# Altium PCB miniCUP.PcbDoc
Units mil, origin at the board's own origin, x right, y up, seen from the top; angles counter-clockwise.
Board outline 2125.98 x 2125.98 mil, 2 copper layers (Top Layer, Bottom Layer); 43 components, 42 nets, 161 pads, 31 vias.
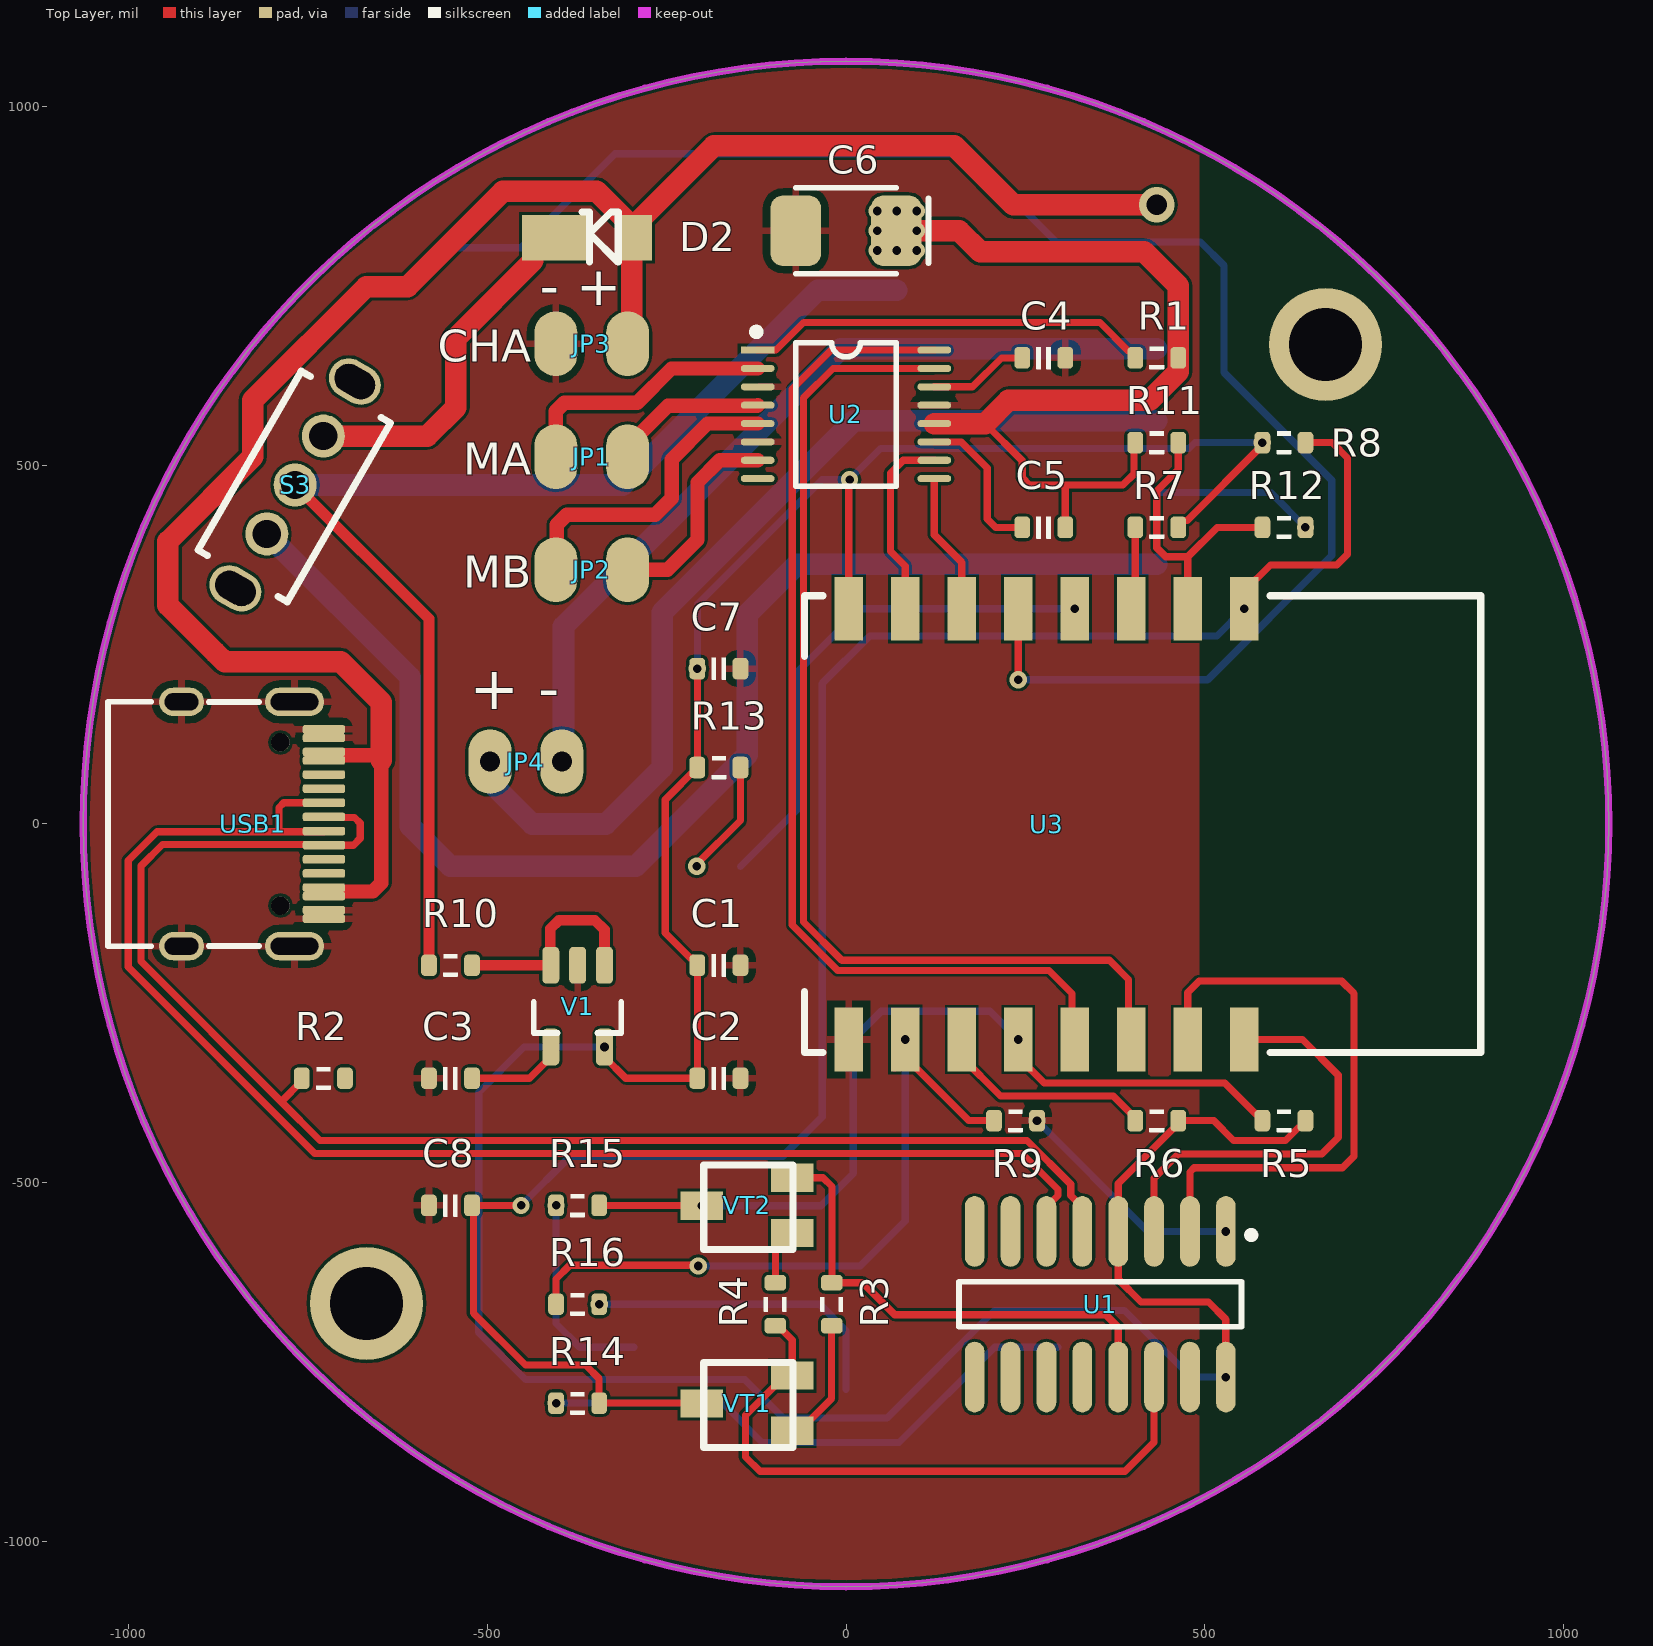
[diagram p0: Top Layer view]
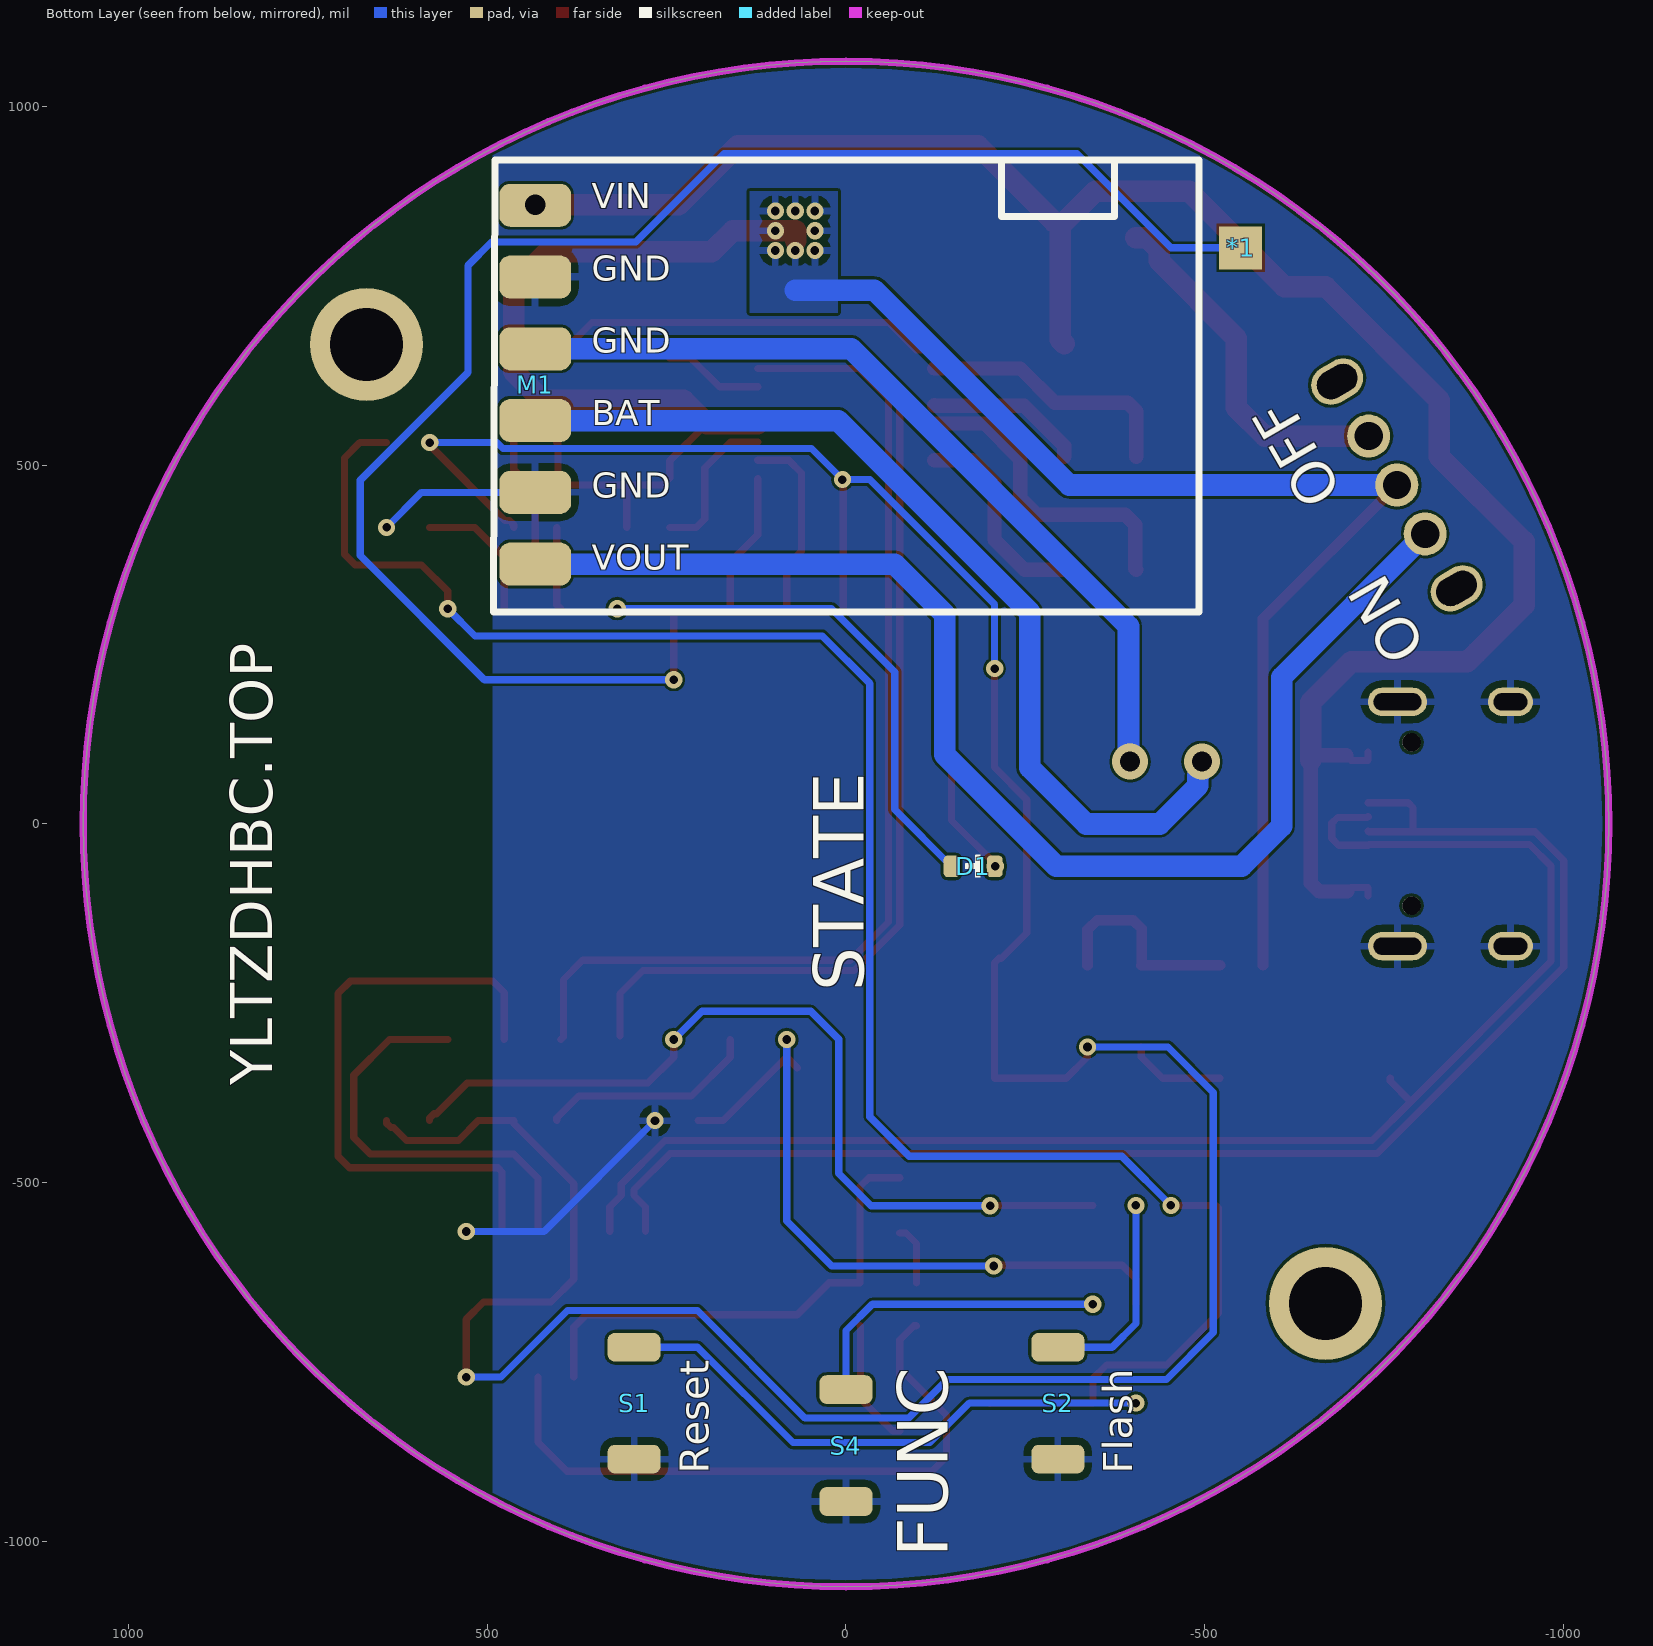
[diagram p1: Bottom Layer view, seen from below]
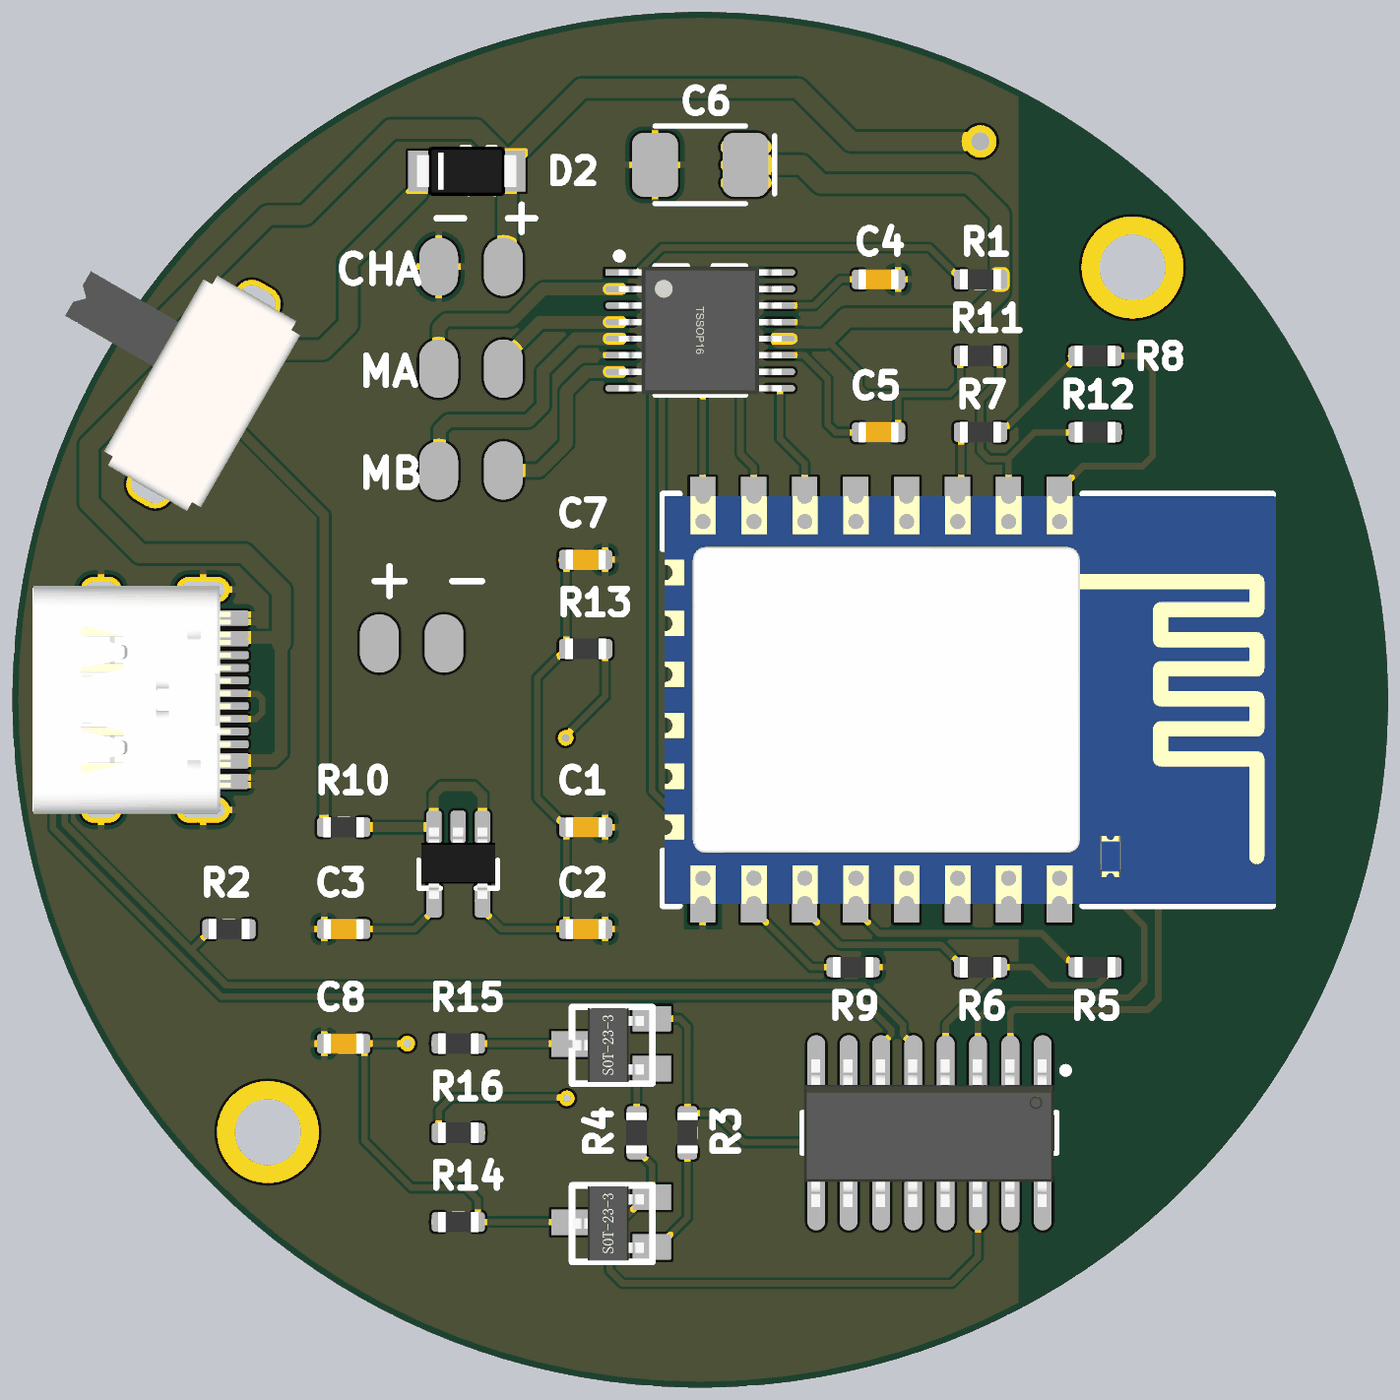
[diagram p2: 3D render of the assembled board from above, using the file's embedded part models]
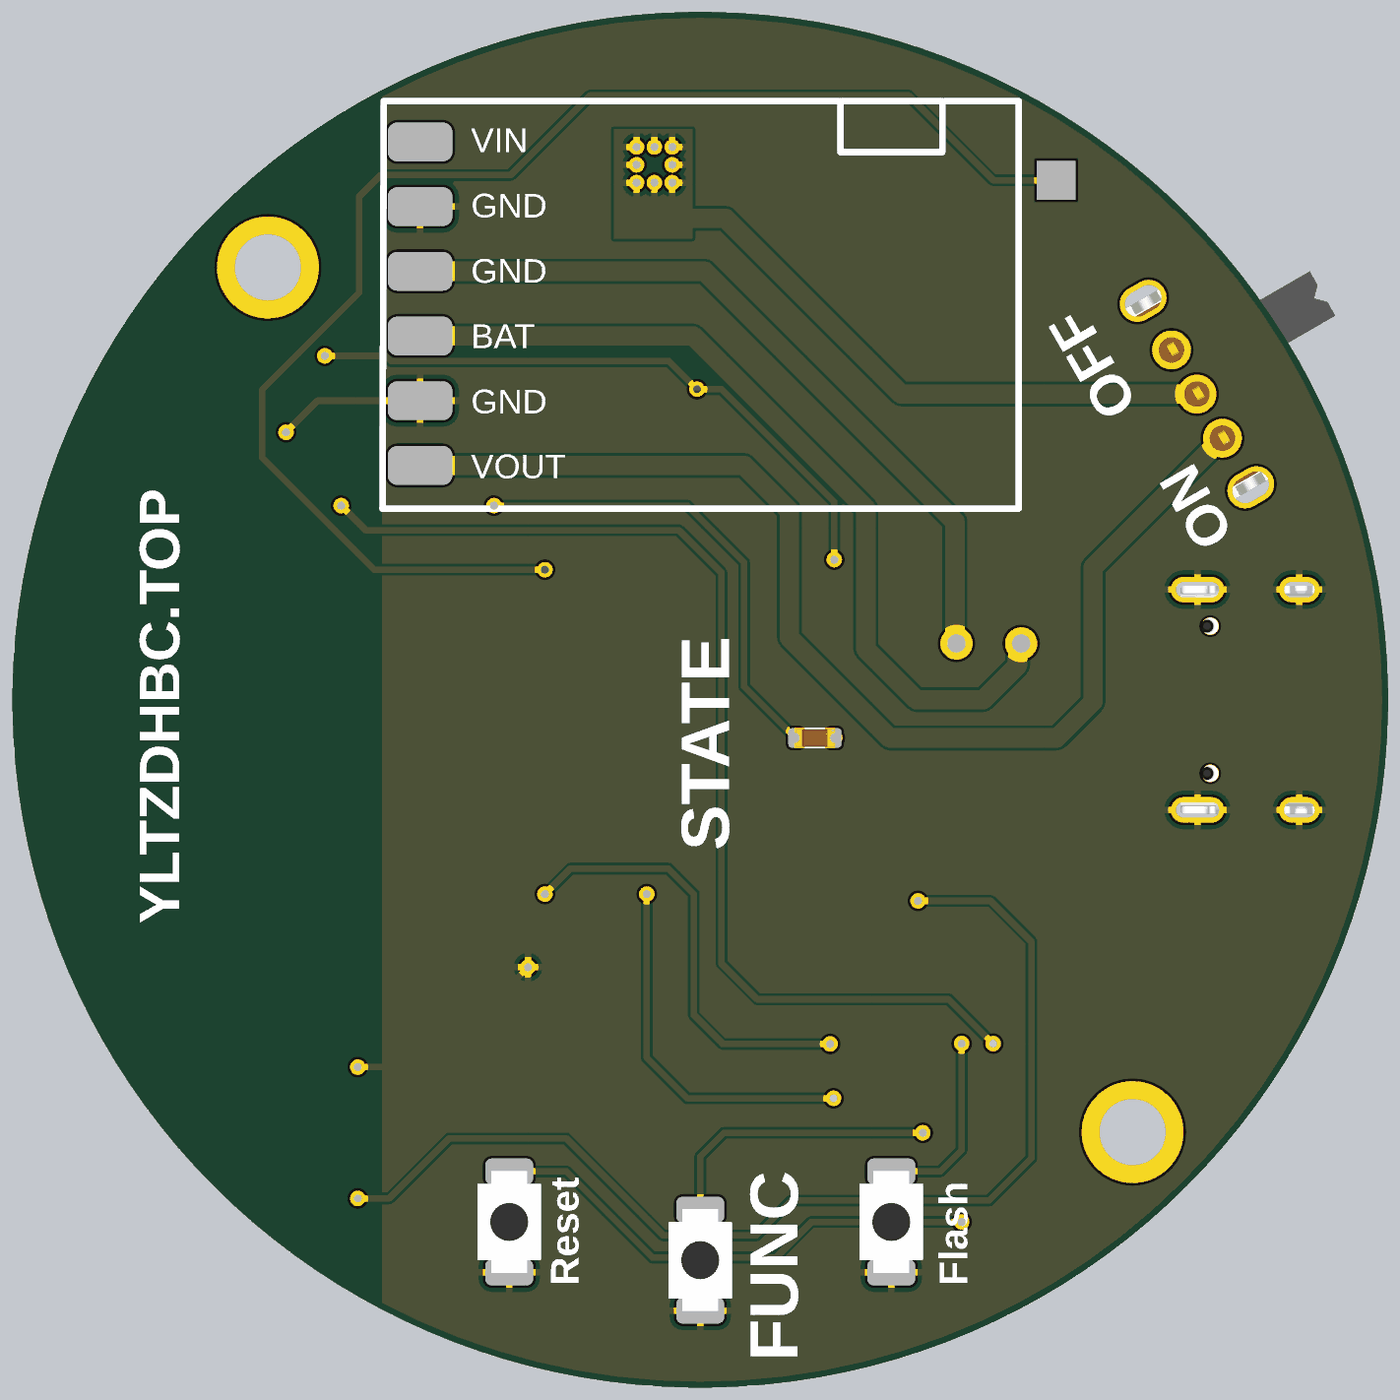
[diagram p3: 3D render of the assembled board from below, using the file's embedded part models]

## Layer stack, top to bottom
Top Solder: solder mask 0.4, Solder Resist, Dk 3.5
Top Layer: signal copper 1.4
Dielectric 1: dielectric 12.6, FR-4, Dk 4.8
Bottom Layer: signal copper 1.4
Bottom Solder: solder mask 0.4, Solder Resist, Dk 3.5

## Board outline
-1062.99,0 ccw(c0,0) 0,-1062.99 ccw(c0,0) 1062.99,0 ccw(c0,0) 0,1062.99 ccw(c0,0)

## Design rules (kind name [scope] priority, off if disabled: settings)
Clearance [All] p1: gap=4 ignorepadtopadclearanceinfootprint=FALSE
DiffPairsRouting [All] p1: maxlimit=10 minlimit=6 mostfreqgap=8 toplayer_minwidth=6 toplayer_maxwidth=30 toplayer_prefwidth=10 bottomlayer_minwidth=6 bottomlayer_maxwidth=30 bottomlayer_prefwidth=10 maxuncoupledlength=500
MinimumSolderMaskSliver [All] p1: minsoldermaskwidth=4
PolygonConnect [All] p1: connectstyle=Relief reliefconductorwidth=10 reliefentries=4 polygonreliefangle="90 Angle" airgapwidth=10
RoomDefinition Mini [InComponentClass('Mini')] p1: confinementstyle=ConfineOut formatcopy=TRUE lockcomponents=FALSE outline -208.66,1153.54 228.35,1153.54 228.35,1279.53 -208.66,1279.53
RoutingVias [All] p1: holewidth=28 width=50 viastyle="Through Hole" minholewidth=10 minwidth=20 maxholewidth=28 maxwidth=50
SilkToSilkClearance [All] p1: silktosilkclearance=2
SilkToSolderMaskClearance [IsPad] p1: minsilkscreentomaskgap=0 clearancetoexposedcopper=TRUE
SolderMaskExpansion [All] p1: expansion=4 istentingtop=FALSE
Width [All] p1: maxlimit=30 minlimit=6 preferedwidth=10
26 further rules are at their usual default settings.

## Classes and differential pairs
component class Mini: *1 C1 C2 C4 C5 C6 C8 D1 D2 JP1 M1 POWER1 R1 R2 R4 R8 R9 R10 R13 R14 S1 S2 S3 U1 U2 USB1 V1 VT1 VT2
differential pair USB: +USB_P -USB_N

## Components (designator, comment, footprint, x,y, rotation, side; value= is the part's Value field where it differs from the comment)
*1 "焊点-1P" "Solder joints" -550,803 r180 bottom
C1 "0.1uF" 0603_CAP -177.17,-196.85 r180 top
C2 "10uF" 0603_CAP -177.17,-354.33 r180 top value=0.1uF
C3 "10nF" 0603_CAP -551.18,-354.33 r0 top value=0.1uF
C4 "2.2uF" 0603_CAP 275.59,649.61 r0 top value=0.1uF
C5 "10nF" 0603_CAP 275.59,413.39 r0 top value=0.1uF
C6 "10uF" 3528-CAP 0,826.77 r180 top
C7 "10uF" 0603_CAP -177.17,216.54 r180 top value=0.1uF
C8 "0.1uF" 0603_CAP -551.18,-531.5 r0 top
D1 "LED-0603" 0603_LED_RED -177.17,-59.06 r0 bottom
D2 "SBR3U40P1" D-POWERDI123 -348,815 r180 top
JP1 "MOTOR" J-TIE-2-2.54 -354.33,511.81 r180 top
JP2 "MOTOR" J-TIE-2-2.54 -354.33,354.33 r180 top
JP3 "第二充电接口" J-TIE-2-2.54 -354.33,669.29 r180 top
JP4 "电池接口" J-TIE-2-2.54 -446,87 r0 top
M1 "模块-充电模块" 模块-充电模块 0,610.24 r180 bottom locked
R1 "47K" 0603_RES 433.07,649.61 r180 top value=1K
R2 "1.5K" 0603_RES -728.35,-354.33 r0 top value=1K
R3 "1K" 0603_RES -19.69,-669.29 r90 top
R4 "1K" 0603_RES -98.43,-669.29 r270 top
R5 "10K" 0603_RES 610.24,-413.39 r180 top value=1K
R6 "10K" 0603_RES 433.07,-413.39 r180 top value=1K
R7 "10K" 0603_RES 433.07,413.39 r180 top value=1K
R8 "10K" 0603_RES 610.24,531.5 r0 top value=1K
R9 "10K" 0603_RES 236.22,-413.39 r180 top value=1K
R10 "0R" 0603_RES -551.18,-196.85 r0 top value=1K
R11 "100K" 0603_RES 433.07,531.5 r0 top value=1K
R12 "10K" 0603_RES 610.24,413.39 r0 top value=1K
R13 "1K" 0603_RES -177.17,78.74 r0 top
R14 "10K" 0603_RES -374.02,-807.09 r0 top value=1K
R15 "10K" 0603_RES -374.02,-531.5 r0 top value=1K
R16 "10K" 0603_RES -374.02,-669.29 r180 top value=1K
S1 "ButtonTACT_3x4x2_180" ButtonTACT_3x4x2_180H 295.28,-807.09 r90 bottom
S2 "ButtonTACT_3x4x2_180" ButtonTACT_3x4x2_180H -295.28,-807.09 r90 bottom
S3 "SS12D06" SWITCH_4.3X8.6 -767.72,472.44 r240 top
S4 "ButtonTACT_3x4x2_180" ButtonTACT_3x4x2_180H 0,-866.14 r90 bottom
U1 "收发器-CH340C" SOIC-16 354.33,-669.29 r270 top
U2 "DRV8833" TSSOP16_L 0,570.87 r0 top
U3 "ESP12" ESP12 413.39,0 r270 top
USB1 "Type-C" Type-C-TOP -826.77,0 r180 top
V1 "电源-LP2992" SOT-23-5 -374.02,-255.91 r270 top
VT1 "8050" SOT-23-3 -137.8,-807.09 r90 top
VT2 "8050" SOT-23-3 -137.8,-531.5 r90 top

## Footprints (in the part's own frame and the unit in brackets; to place one, negate y for a bottom-side part, rotate by r counter-clockwise, add the part's x,y. Pads: shape width x height; smd on the part's side, far side on the other; paste and mask are expansions set on the pad)
0603_CAP [mil]
  rrect50% 22x30 smd: 1(-30,0) 2(30,0)
  silkscreen extent -10,-15 10,15, body extent -31,-16 32,16, height 31
0603_LED_RED [mil]
  rrect50% 22x30 smd: 1(-30,0) 2(30,0)
  silkscreen extent -10,-16 10,16, body extent -31,-16 31,16, height 24
0603_RES [mil]
  rrect50% 22x30 smd: 1(-30,0) 2(30,0)
  silkscreen extent -10,-16 10,16, body extent -31,-16 31,16, height 18
3528-CAP [mm] "钽电容"
  rrect50% 1.8x2.5 smd: 1(-1.778,0) 2(1.778,0)
  silkscreen extent -2.92,-1.52 1.78,1.52, body extent -1.91,-1.4 1.91,1.4, height 1.1
ButtonTACT_3x4x2_180H [mil]
  rrect50% 40x74 smd: 1(-78,0) 2(78,0)
  body extent -79,-49 79,49, height 63
D-POWERDI123 [mil]
  rect 43.31x62.99 smd: 1(-56,-2)
  rect 94.49x62.99 smd: 2(56,-2)
  silkscreen extent -31,-38 20,32, body extent -64,-40 90,36, height 43
ESP12 [mm]
  rect 2.25x1 smd: 1(-7.621,3.598) 2(-7.621,1.598) 3(-7.621,-0.402) 4(-7.621,-2.402) 5(-7.621,-4.402) 6(-7.621,-6.402) 7(-7.621,-8.402) 8(-7.621,-10.402) 15(7.629,-10.402) 16(7.629,-8.402) 17(7.629,-6.402) 18(7.629,-4.402) 19(7.629,-2.402) 20(7.629,-0.402) 21(7.629,1.598) 22(7.629,3.598)
  silkscreen extent -8.08,-11.97 8.09,11.97, body extent -7.99,-11.89 8.01,12.11, height 2.75
J-TIE-2-2.54 [mil]
  oval 60x90 smd: 1(-50,0) 2(50,0)
SOIC-16 [mm]
  oval 2.5x0.7 smd: 1(-2.577,4.445) 2(-2.577,3.175) 3(-2.577,1.905) 4(-2.577,0.635) 5(-2.577,-0.635) 6(-2.577,-1.905) 7(-2.577,-3.175) 8(-2.577,-4.445) 9(2.577,-4.445) 10(2.577,-3.175) 11(2.577,-1.905) 12(2.577,-0.635) 13(2.577,0.635) 14(2.577,1.905) 15(2.577,3.175) 16(2.577,4.445)
  silkscreen extent -2.57,-5 0.8,5.47, body extent -2.88,-4.92 2.92,4.88, height 1.75
"Solder joints" [mil]
  rect 60x60 smd: 1(0,0)
SOT-23-3 [mil]
  rect 39.37x59.06 smd: 1(-38.5,-63) 2(38.5,-63) 3(-0.5,63)
  silkscreen extent -62,-64 57,60, body extent -60,-51 55,59, height 47
SOT-23-5 [mm] "SOT23, 3-Leads, Body 3.1x3.0mm (max), Pitch 0.95mm, IPC Medium Density"
  rrect50% 1.3x0.6 smd: 1(-1.5,0.95) 2(-1.5,0) 3(-1.5,-0.95) 4(1.396,-0.95) 5(1.396,0.95)
  silkscreen extent -0.2,-1.55 0.9,1.55, body extent -1.48,-1.45 1.32,1.45, height 1.2
SWITCH_4.3X8.6 [mil]
  oval 55x75 hole 39.37 slot 59.06 at 90 deg: 0(-166.42,0) 0(166.42,0)
  round 60 hole 39.37: 1(-78.74,0) 2(0,0) 3(78.74,0)
  silkscreen extent -142,-72 146,72, body extent -169,-246 169,84, height 190
TSSOP16_L [mm] "5*6.4*1mm（长宽高） 封装库来自淘宝卖家 ID：黄晶宝石"
  rect 1.2x0.25 smd: 1(-3.125,2.275)
  oval 1.2x0.25 smd: 2(-3.125,1.625) 3(-3.125,0.975) 4(-3.125,0.325) 5(-3.125,-0.325) 6(-3.125,-0.975) 7(-3.125,-1.625) 8(-3.125,-2.275) 9(3.125,-2.275) 10(3.125,-1.625) 11(3.125,-0.975) 12(3.125,-0.325) 13(3.125,0.325) 14(3.125,0.975) 15(3.125,1.625) 16(3.125,2.275)
  silkscreen extent -3.3,-2.54 1.78,3.05, body extent -3.2,-2.5 3.2,2.5, height 1.03
Type-C-TOP [mm]
  round 0.65 hole 0.65: 0(-0.98,2.89) 0(-0.98,-2.89)
  oval 1.6x1 hole 0.6 slot 1.2 at 0 deg: 1(2.52,4.325) 2(2.52,-4.325)
  oval 2.1x1 hole 0.6 slot 1.7 at 0 deg: 3(-1.48,-4.325) 4(-1.48,4.325)
  rrect50% 1.5x0.3 smd: A1(-2.52,-3.35) A4(-2.52,-2.55) A5(-2.52,-1.25) A6(-2.52,-0.25) A7(-2.52,0.25) A8(-2.52,1.25) A9(-2.52,2.55) A12(-2.52,3.35) B1(-2.52,3.05) B4(-2.52,2.25) B5(-2.52,1.75) B6(-2.52,0.75) B7(-2.52,-0.75) B8(-2.52,-1.75) B9(-2.52,-2.25) B12(-2.52,-3.05)
  silkscreen extent -0.22,-4.33 5.12,4.33, body extent -2.57,-4.48 5.18,4.48, height 3.26
模块-充电模块 [mm]
  rrect50% 2.54x1.524 smd: 1(-11,6.4) 2(-11,3.86) 3(-11,1.32) 4(-11,-1.22) 5(-11,-3.76) 6(-11,-6.3)
  silkscreen extent -12.47,-8 12.5,8, body extent -12.47,-8 12.5,8, height 1.6

## Part data
*1: "1P"
C1 C2 C3 C4 C5 C7 C8: library part 电容-0603, "电容"
C6: library part 电容-3216, "钽电容 A型", LatestRevisionDate=17-Jul-2002, LatestRevisionNote="Re-released for DXP Platform.", PackageReference=RB7.6-15, Published=8-Jun-2000, Publisher="Altium Limited"
D1: library part 二极管-0603-RED, "发光二极管"
D2: library part 二极管-SBR3U40P1, "Zener Diode"
JP1 JP2 JP3 JP4: library part 接插件-TIE2.54-2P, "2.54MM"
R1 R2 R3 R4 R5 R6 R7 R8 R9 R10 R11 R12 R13 R14 R15 R16: library part 电阻-0603, "电阻"
S1 S2 S4: library part 按键-3x4x2, "3x4x2小龟角按键"
S3: library part 开关-SS12D06, "2档3脚 大电流拨动开关 弯脚"
U1: "USB转TTL，内置晶振"
U2: library part 驱动-DRV8833, "2路直流电机驱动"
U3: library part 通讯模组-ESP12, "ESP12系列WIFI模块"
USB1: library part 接插件-USB-Type-C
V1: "电源芯片"
VT1 VT2: library part 三极管-S8050, PackageDocument=Sep-1998, Code_JEDEC=TO-92A, ComponentLink1Description="Manufacturer Link", ComponentLink1URL=http://www.fairchildsemi.com/, ComponentLink2Description=Datasheet, ComponentLink2URL=http://www.fairchildsemi.com/ds/2N%2F2N3904.pdf, DatasheetDocument=1997, LatestRevisionDate=15-Jan-2003, LatestRevisionNote="PCB Footprint 'BCY-W3/D4.7' replaced", PackageReference=TO-92A, Published=8-Jun-2000, Publisher="Altium Limited"

## Free pads (board coordinates)
  round 157.48 hole 102.36: 0(-668.23,-668.23) 0(668.23,668.23)

## Via types
v1: diameter 24, hole 12, Top Layer to Bottom Layer, 28 vias
v2: diameter 50, hole 28, Top Layer to Bottom Layer, 3 vias

## Nets (pads, with @x,y where several pads share a name; then routed paths per layer and width w, separated by ;. In a path a pad name is that pad's centre, name@x,y a point inside that pad or via, vN(x,y) a via of type N, cw(c..) or ccw(c..) an arc to the next point about the centre after c; other vN are vias at no path point)
3.3V: C1.2 C2.2 C7.2 R5.1 R6.1 R7.1 R8.1 R13.1 U1.4 U1.16 U3.8 V1.5 | length 4525.4
  Top Layer w10: v1(-336.61,-310.85) -336.61,-324.63 -306.91,-354.33 C2.2 C1.2 -207.17,-193.12 -213.13,-187.16 -216.86,-187.16 -251.97,-152.05 -251.97,33.94 R13.1 v1(-207.17,216.54) ; U3.8 3.88,478.88 v1(5,480) ; R7.1 463.07,417.12 469.03,423.08 475.55,423.08 580.24,527.77 v1(580.24,531.5) ; v1(529.33,-770.75) 529.33,-690.33 505,-666 411,-666 379.33,-634.33 U1.4 379.33,-501.13 463.07,-417.39 R6.1 512.39,-413.39 540,-441 612.62,-441 630.54,-423.08 634.27,-423.08 640.24,-417.12 R5.1
  Bottom Layer w10: v1(-336.61,-310.85) -448.65,-310.85 -511.81,-374.02 -511.81,-708.66 -446.47,-774 -141,-774 -87,-828 57,-828 207,-678 388,-678 480.75,-770.75 v1(529.33,-770.75) ; v1(-207.17,216.54) -207.17,305.83 -33,480 v1(5,480) 48.2,523.2 478.01,523.2 486.3,531.5 v1(580.24,531.5)
3V3: R2.2
5V: R10.2 V1.1 V1.3 | length 296.2
  Top Layer w15: R10.2 V1.3 -412,-196.27 -412,-146 -400,-134 -350,-134 -336.61,-147.39 V1.1
ADC: R11.2 R12.1 U3.2 | length 400.7
  Top Layer w10: R11.2 463.07,494.07 433,464 433,385 445.68,372.32 476.32,372.32 ; U3.2 476.32,372.32 ; R12.1 517.39,413.39 476.32,372.32
AOUT1: JP1.2 U2.2 | length 369.4
  Top Layer w20: JP1.2 -404.33,575.28 -392.61,587 -291,587 -243.16,634.84 U2.2
AOUT2: JP1.1 U2.4 | length 219.8
  Top Layer w20: JP1.1 -304.33,526.81 -248.14,583 -123.69,583 U2.4
APWM1: U2.16 U3.19 | length 1455.6
  Top Layer w10: U2.16 -20.57,660.43 -74.8,606.2 -74.8,-140.79 -11.6,-204 282.74,-204 314.96,-236.22 U3.19@314.96,-295.28
APWM2: U2.15 U3.20 | length 1500.9
  Top Layer w10: U2.15 -18.16,634.84 -59.06,593.94 -59.06,-136.74 -5.8,-190 367.17,-190 393.7,-216.54 393.7,-296.48 U3.20
BOUT1: JP2.1 U2.7 | length 291.4
  Top Layer w20: JP2.1 -248.67,354.33 -207,396 -207,476 -176.11,506.89 U2.7
BOUT2: JP2.2 U2.5 | length 433.3
  Top Layer w20: JP2.2 -403,355.66 -403,417 -389,431 -266,431 -243,454 -243,508 -192.93,558.07 U2.5
BPWM1: U2.9 U3.6 | length 197.1
  Top Layer w10: U2.9 123.03,402.97 161.36,364.64 U3.6
BPWM2: U2.10 U3.7 | length 265.9
  Top Layer w10: U3.7 82.62,359.38 62,380 62,489 79.89,506.89 U2.10
CH_Rx: U1.3 U3.22 | length 592.8
  Top Layer w10: U1.3 429.33,-493.67 463,-460 663,-460 686,-437 686,-350 636.35,-300.35 U3.22
CH_Tx: U1.2 U3.21 | length 858.6
  Top Layer w10: U3.21 476.32,-234.68 492,-219 691,-219 708,-236 708,-463 692,-479 485.19,-479 479.33,-484.86 U1.2
DTR: R3.2 U1.13 VT2.2 | length 688.3
  Top Layer w10: VT2.2 -32,-493 -19.69,-505.31 R3.2 23.29,-639.29 68,-684 362,-684 379.33,-701.33 U1.13
EN: R7.2 U3.3 | length 115.6
  Top Layer w10: U3.3 403.07,305.53 R7.2
GND: C1.1 C2.1 C3.1 C4.2 C6.2 C7.1 C8.1 JP3.2 M1.2 M1.5 R9.1 R12.2 S1.1 S2.1 S4.1 U1.1 U2.3 U2.6 U2.13 U3.15 USB1.1 USB1.2 USB1.3 USB1.4 USB1.A1 USB1.A12 USB1.B1 USB1.B12 V1.2 | length 554.5
  Bottom Layer w10: v1(266.22,-413.39) 420.67,-567.83 v1(529.33,-567.83) ; M1.5 591.42,462.2 v1(640.24,413.39)
GPIO0: R5.2 R15.2 U3.18 VT2.3 | length 1226
  Top Layer w10: R15.2 -201.3,-531.5 v1(-200.8,-532) ; v1(240.1,-300.35) 240.1,-324.96 276.14,-361 527.85,-361 570.54,-403.69 574.27,-403.69 580.24,-409.66 R5.2
  Bottom Layer w10: v1(-200.8,-532) -35,-532 10,-487 10,-300 49,-261 200.74,-261 v1(240.1,-300.35)
GPIO2: R6.2 U3.17 | length 305.1
  Top Layer w10: U3.17 161.36,-324.96 215.4,-379 372.41,-379 396.8,-403.39 403.07,-409.66 R6.2
GPIO14: *1.1 U3.5 | length 2269.8
  Top Layer w10: v1(240,201) 240.1,201.1 U3.5
  Bottom Layer w10: *1.1 -453,803 -322,934 170,934 293,811 494,811 527,778 527,629 677,479 677,374 504,201 v1(240,201)
GPIO15: R9.2 R16.2 U3.16 | length 1012.4
  Top Layer w10: R16.2 -404.02,-634.02 -385,-615 -207,-615 v1(-206,-616) ; U3.16@67.93,-339.65 79.71,-327.86 85.52,-327.86 171.04,-413.39 R9.2 ; U3.16@82.62,-324.96 v1(82.62,-300.35)
  Bottom Layer w10: v1(-206,-616) 20,-616 82.62,-553.38 v1(82.62,-300.35)
GPIO16: D1.2 U3.4 | length 727.2
  Bottom Layer w10: D1.2 -68,20.11 -68,212 20.04,300.04 v1(318.84,300.04)
NetC3_2: C3.2 V1.4 | length 135.8
  Top Layer w10: C3.2 -441.12,-354.33 -411.42,-324.63 V1.4
NetC4_1: C4.1 U2.14 | length 139.3
  Top Layer w10: U2.14 176.18,609.25 216.54,649.61 C4.1
NetC5_1: C5.1 U2.11 | length 213.5
  Top Layer w10: U2.11 123.11,532.4 160.6,532.4 196.85,496.15 196.85,425.2 208.66,413.39 C5.1
NetD1_1: D1.1 R13.2 | length 162.6
  Top Layer w10: v1@-207.17,-59.06 -207.17,-55.06 -147.17,4.94 R13.2
  other v1: -208,-59
NetD2_2: D2.2 S3.1 | length 504.9
  Top Layer w30: S3.1 -583.37,540.63 -544,580 -544,677 -436.24,784.76 -436.24,800.5 -419.75,817 D2.2
NetJP4_1: JP4.1 M1.4 | length 1331.4
  Bottom Layer w30: v2@-492.13,78.74 -492.17,78.69 -492.17,69.03 -490.5,67.36 -490.5,53.5 -437,0 -334.65,0 -255.91,78.74 -255.91,295.28 11.02,562.2 M1.4
  other v2: -496,87
NetJP4_2: JP4.2 M1.3 | length 1175.1
  Bottom Layer w30: v2@-393.7,87.43 -393.7,275.59 -7.09,662.2 M1.3
  other v2: -396,87
NetM1_6: M1.6 S3.3 | length 1842.7
  Bottom Layer w30: S3.3 -607,204.16 -607,-3.24 -551.18,-59.06 -293.16,-59.06 -137.8,96.31 -137.8,292.12 -67.71,362.2 M1.6
NetR1_2: R1.2 U2.1 | length 564.6
  Top Layer w10: U2.1 -97.44,660.43 -59.06,698.82 353.86,698.82 393.38,659.3 397.11,659.3 403.07,653.34 R1.2
NetR3_1: R3.1 VT1.1 | length 174.9
  Top Layer w10: VT1.1 -64.95,-845.59 -20,-800.63 -20,-699.61 R3.1
NetR4_1: R4.1 VT2.1 | length 84.3
  Top Layer w10: R4.1 -98.43,-584.68 -83.74,-570 VT2.1
NetR14_1: R14.1 S1.2 | length 777.1
  Bottom Layer w10: v1(-404.02,-807.09) -171.91,-807.09 -117,-862 74,-862 206.91,-729.09 S1.2
NetR15_1: R15.1 S2.2 | length 286.9
  Bottom Layer w10: v1(-404.02,-531.5) -404.02,-695.98 -370.91,-729.09 S2.2
NetR16_1: R16.1 S4.2 | length 441.4
  Bottom Layer w10: v1(-344.02,-669.29) -36.71,-669.29 0,-706 S4.2
nRST: C8.2 R8.2 R14.2 U3.1 VT1.3 | length 2702.2
  Top Layer w10: v1(-452.76,-531.5) -515.22,-531.5 -519.09,-535.37 -519.09,-681.7 -446.79,-754 -363,-754 -344.02,-772.98 R14.2 -201.3,-807.09 VT1.3 ; v1(555.06,300.04) 555.06,324.65 591.41,361 684,361 699,376 699,510 677.5,531.5 R8.2
  Bottom Layer w10: v1(-452.76,-531.5) -384.26,-463 -88,-463 -33,-408 -33,196 33,262 517.02,262 v1(555.06,300.04)
RTS: R4.2 U1.14 VT1.2 | length 912.7
  Top Layer w10: R4.2 -94.7,-699.29 -74.8,-719.19 VT1.2 -84.64,-768.59 -140,-823.95 -140,-882 -120,-902 389,-902 429.33,-861.67 U1.14
USB_IN: D2.1 JP3.1 M1.1 USB1.A4 USB1.A9 USB1.B4 USB1.B9 | length 2770.9
  Top Layer w10: USB1.A9 USB1.B4 -703.94,-88.58 -698.52,-94 ; USB1.A4 USB1.B9 -703.94,88.58 -703.03,89.49 -703.03,90.14 -697.17,96
  Top Layer w20: -698.52,-94 -659.35,-94 -647.64,-82.28 -647.64,88.58 ; -697.17,96 -647.64,96
  Top Layer w30: -647.64,88.58 -647.64,96 -647.64,169.64 -704,226 -866,226 -878.99,238.99 -944.88,304.88 -944.88,393.7 -826.77,511.81 -826.77,590.55 -668.32,749 -611,749 -478,882 -347.16,882 -298.59,833.43 -298.59,675.03 JP3.1 ; D2.1@-290.51,838.49 -184,945 151,945 233,863 v2(433,863)
USB_N: U1.6 USB1.A7 USB1.B7 | length 2026
  Top Layer w10: USB1.A7 -728.4,-10.68 -790,-10.68 ; USB1.B7 -783.47,29.53 -790,23 -790,-10.68 ; U1.6 279.33,-533.76 295.33,-517.76 295.33,-509.48 244.85,-459 -740.49,-459 -1000.27,-199.21 -1000.27,-50.82 -960.14,-10.68 -790,-10.68
USB_P: R2.1 U1.5 USB1.A6 USB1.B6 | length 2071.9
  Top Layer w10: R2.1 -758.35,-358.35 -787.01,-387.01 ; USB1.A6@-727.72,10 USB1.A6 -726.72,9 -685,9 -677,1 -677,-20 -686.53,-29.53 USB1.B6 -728.4,-28.68 -952.68,-28.68 -982.27,-58.27 -982.27,-191.76 -787.01,-387.01 ; U1.5 329.33,-533.76 313.33,-517.76 313.33,-502.02 252.31,-441 -733.03,-441 -787.01,-387.01
VIN: C5.2 C6.1 R1.1 R10.1 R11.1 S3.2 U2.12 | length 3005.4
  Top Layer w10: 193.83,558 245.59,506.24 245.59,482.41 255.56,472.44 305.59,472.44 ; C5.2 305.59,472.44 ; R11.1 401.57,530 401.57,488.19 385.83,472.44 305.59,472.44
  Top Layer w15: S3.2 -581.18,285.91 R10.1
  Top Layer w20: U2.12 U2.12@123.1,558
  Top Layer w30: C6.1@70,812.99 C6.1 v1(98.43,826.77) 157.48,826.77 187.01,797.24 415.76,797.24 463.07,749.93 R1.1 463.07,630.39 423.23,590.55 226.38,590.55 193.83,558 U2.12@123.1,558
  Bottom Layer w30: S3.2@-780.49,472.44 S3.2 -311.02,472.44 -39.37,744.09 70.87,744.09
  other v1: 43.31,799.21 70.87,799.21 98.43,799.21 43.31,826.77 43.31,854.33 70.87,854.33 98.43,854.33
pads on no net: S3.0 U1.7 U1.8 U1.9 U1.10 U1.11 U1.12 U1.15 U2.8 USB1.0 USB1.A5 USB1.A8 USB1.B5 USB1.B8

## Polygon pours and split planes (outlines as drawn)
GND on Bottom Layer "GND_L02_P001" (solid, remove dead copper, pour order 1): 492.13,1181.1 492.13,-1181.1 -1181.1,-1181.1 -1181.1,1181.1
VIN on Bottom Layer "VIN_L02_P000" (solid, pour order 0): 11.81,881.89 133.86,881.89 133.86,712.6 11.81,712.6
GND on Top Layer "GND_L01_P002" (solid, remove dead copper, pour order 2): -1181.1,1181.1 492.13,1181.1 492.13,-1181.1 -1181.1,-1181.1

## Keep-outs
Keep-Out Layer:
  circle w10: c0,0 r1062.99

## Silkscreen, mask and mechanical layers (free items; w line width, h text height)
Top Overlay:
  text "- +" at -427.01,722.6 h55.12
  text "CHA" at -568.74,643.86 h45
  text "MA" at -533.31,486.38 h45
  text "MB" at -533.31,328.9 h45
  text "+ -" at -524,160 h60
Bottom Overlay:
  text "OFF" at -708.66,472.44 h100 r240
  text "ON" at -825.81,255.35 h100 r240
  text "STATE" at -48,-233 h120 r270
  text "YLTZDHBC.TOP" at 780,-364 h100 r270
  text "Flash" at -412.65,-905.51 h70 r270
  text "Reset" at 177.17,-905.51 h70 r270
  text "FUNC" at -165,-1022 h120 r270

## Text inside footprints (layer, text, board x,y; h text height)
M1: Bottom Overlay "VOUT" at 354.33,342.52 h60; Bottom Overlay "GND" at 354.33,442.8 h60; Bottom Overlay "BAT" at 354.33,543.71 h60; Bottom Overlay "GND" at 354.33,644.63 h60; Bottom Overlay "GND" at 354.33,745.54 h60; Bottom Overlay "VIN" at 354.33,846.46 h60